# Altium PCB HRADC_Board_v2_0.PcbDoc (part 3 of 4) (continued)
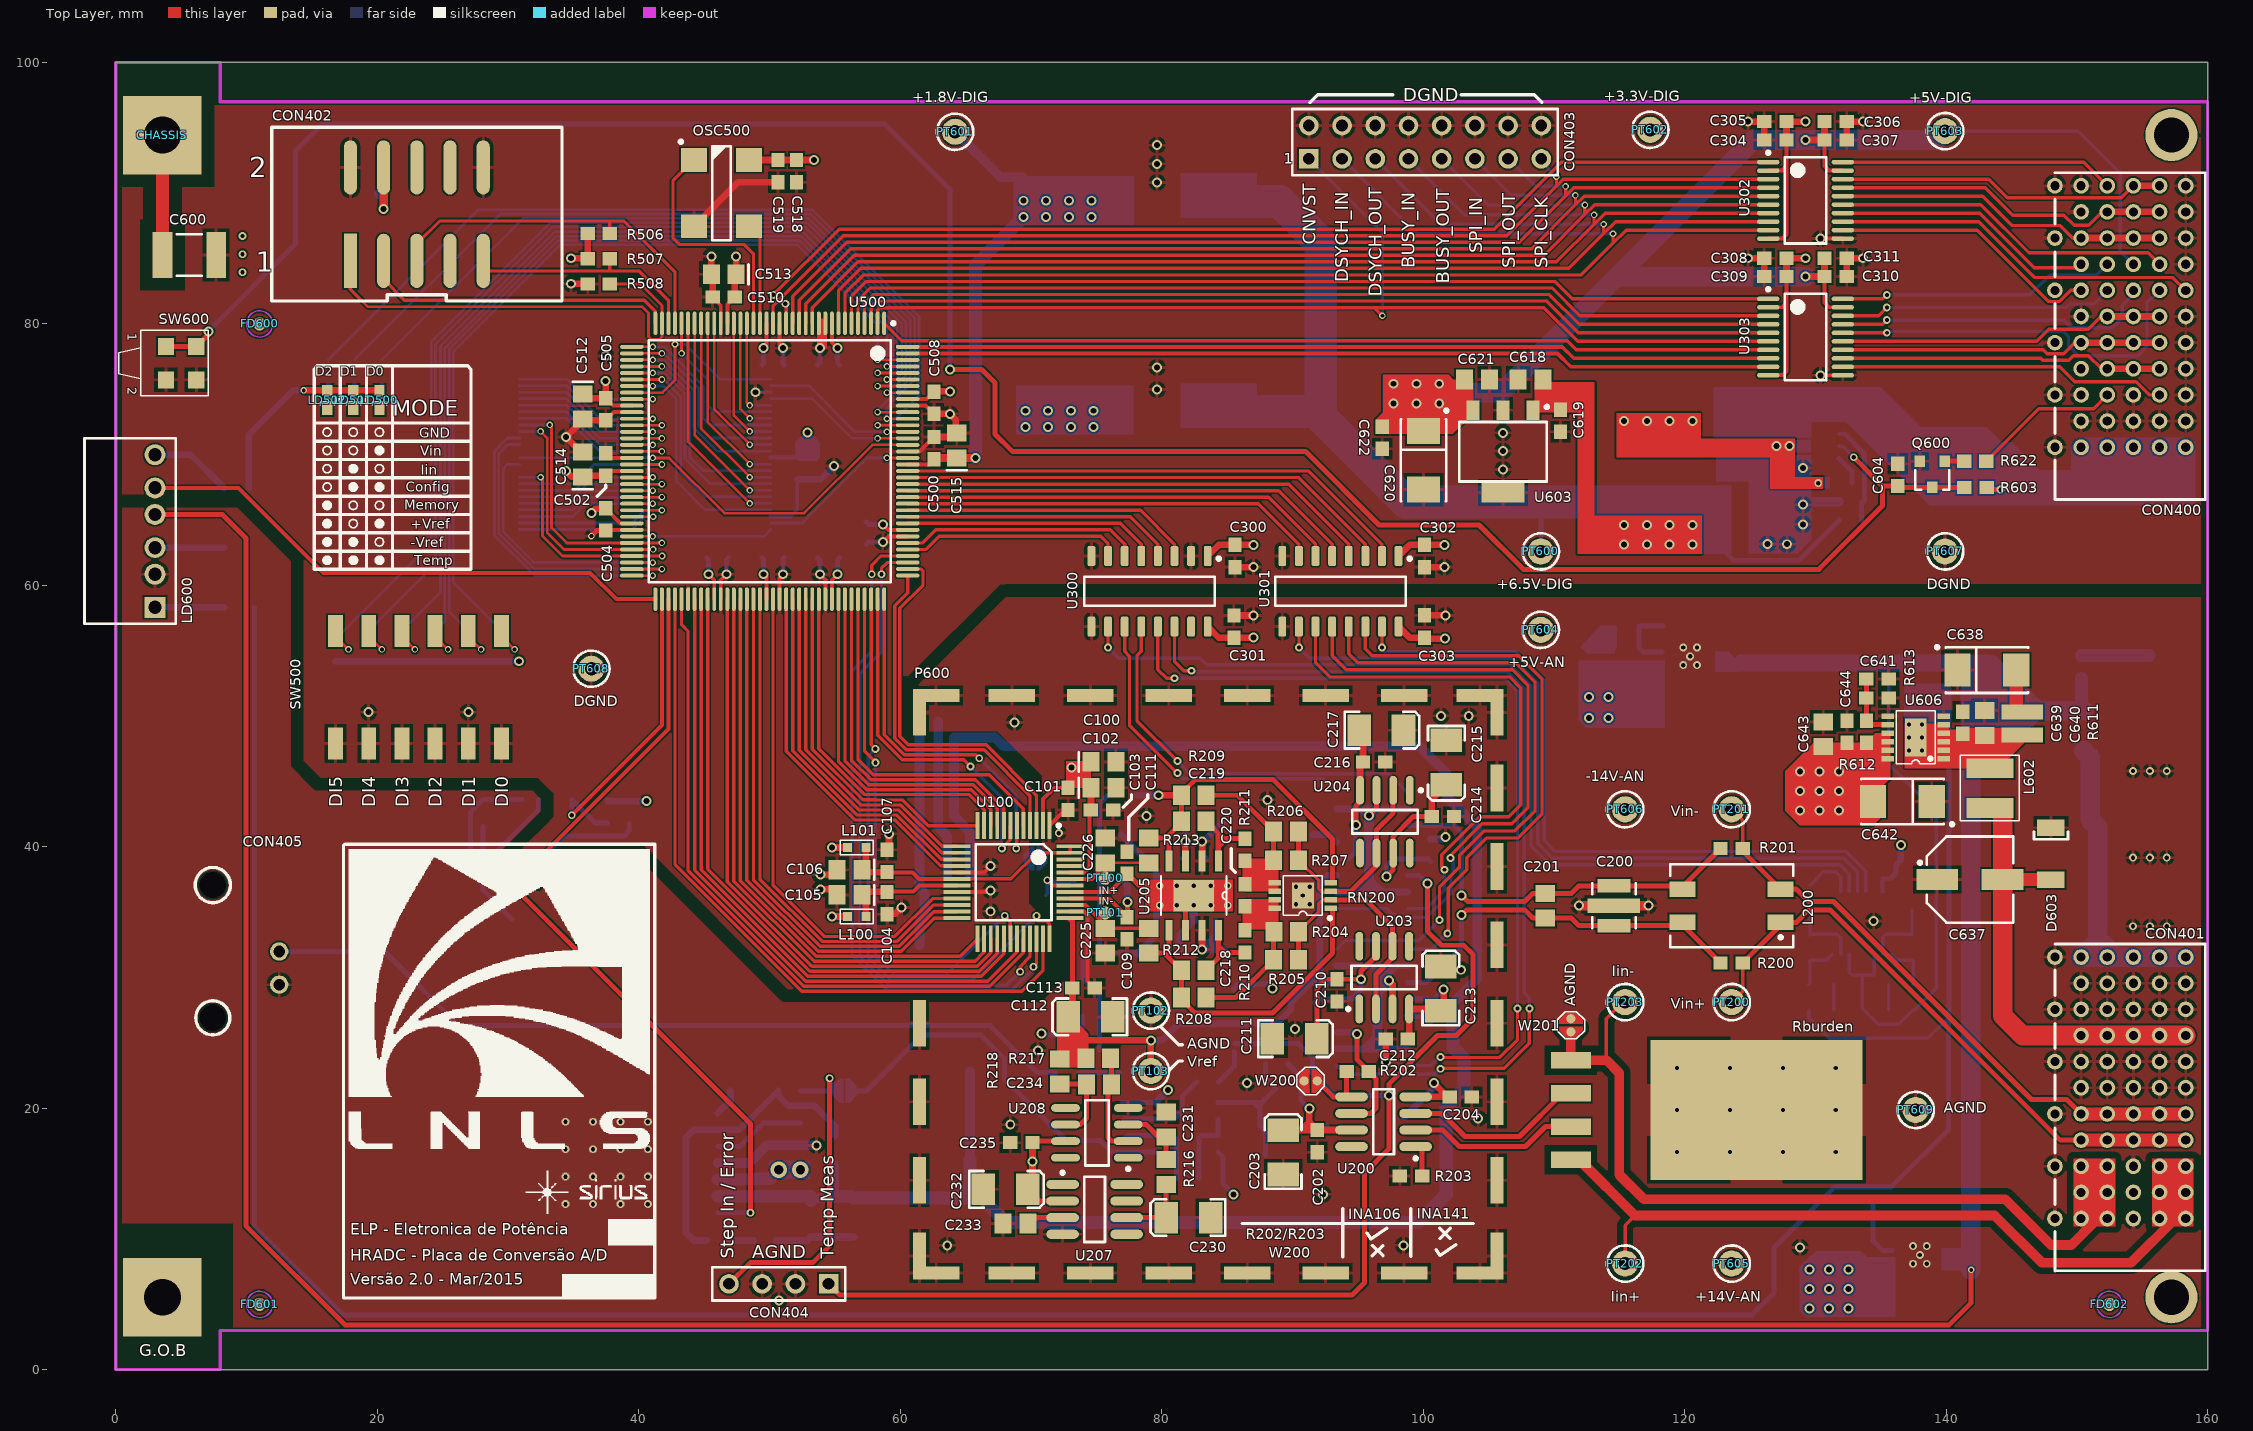
[diagram p0: Top Layer view]
## Nets (pads, with @x,y where several pads share a name; then routed paths per layer and width w, separated by ;. In a path a pad name is that pad's centre, name@x,y a point inside that pad or via, vN(x,y) a via of type N, cw(c..) or ccw(c..) an arc to the next point about the centre after c; other vN are vias at no path point) (continued)
NetR223_2: R223.2 R224.2 U209.3 | length 7.6
  Bottom Layer w0.254: R224.2@76.975,19.05 R224.2@77.11,19.185
  Bottom Layer w0.381: R224.2@77.11,19.185 U209.3@79.525,19.185 80.96,19.185 81.575,19.8 81.575,20.925 R223.2@82.65,22
NetR226_2: R226.2 R227.1 | length 1.9
  Bottom Layer w0.508: R226.2@46.9,9.895 R227.1@48.785,9.895
NetR228_2: R228.2 U211.1 | length 2.1
  Bottom Layer w0.508: U211.1@46.05,19.635 47.02,20.605 R228.2@47.02,21.345
NetR604_1: R604.1 R605.1 U600.4 | length 7.6
  Bottom Layer w0.254: U600.4@131.825,71.6 U600.4@132.239,71.6
  Bottom Layer w0.381: U600.4@132.239,71.6 133.755,70.084 R605.1@133.755,66.4 ; R604.1@133.525,65 R605.1@133.525,66.4
NetR614_2: R614.2 R615.1 | length 2
  Bottom Layer w0.254: R614.2@135.6,27.525 R615.1@135.6,29.5
NetR615_2: R615.2 R616.2 U607.1 | length 3.7
  Bottom Layer w0.254: U607.1@135.79,31.8 136.265,31.325 R616.2@137.4,31.325 137.5,31.225 R615.2@137.5,29.5
NetR616_1: R616.1 R617.1 U607.2 | length 5.6
  Bottom Layer w0.254: U607.2@135.15,31.8 135.15,33.05 135.406,33.306 137.319,33.306 R616.1@137.4,33.225 R617.1@137.4,35.175
NetR618_1: R618.1 R619.1 | length 2
  Bottom Layer w0.254: R618.1@131.4,27.525 R619.1@131.4,29.5
NetR619_2: R619.2 R620.2 U607.8 | length 3.8
  Bottom Layer w0.254: R619.2@129.5,29.5 129.6,29.6 R620.2@129.6,31.325 130.835,31.325 U607.8@131.31,31.8
NetR620_1: R620.1 R621.1 U607.7 | length 5.7
  Bottom Layer w0.254: R621.1@129.6,35.175 R620.1@129.6,33.225 129.681,33.306 131.694,33.306 131.95,33.05 U607.7@131.95,31.8
NetR621_2: R621.2 U607.10 | length 4
  Bottom Layer w0.254: R621.2@129.6,37.075 130.625,38.1 131.074,38.1 131.08,38.106 131.54,38.106 131.95,37.696 U607.10@131.95,36.6
NetRburden_2: Rburden.2 U200.3 | length 13.3
  Top Layer w0.381: U200.3@99.425,19.61 101.44,19.61 103.2,17.85 107.375,17.85 Rburden.2@110.67,21.145
NetRburden_3: Rburden.3 U200.2 | length 13
  Top Layer w0.381: U200.2@99.425,18.34 101.51,18.34 102.775,17.075 107.825,17.075 109.355,18.605 Rburden.3@111.3,18.605
NetU201_2: U201.2 U201.7 U201.10 U201.15 U203.3 | length 19.7
  Top Layer w0.508: v1(97.375,29.775) 97.66,29.49 U203.3@97.66,27.6
  Bottom Layer w0.508: U201.10@93.4,24.55 95.425,24.55 96.525,25.65 97.625,24.55 U201.7@98.8,24.55 ; U201.15@93.4,30.9 96.25,30.9 v1(97.375,29.775) 97.375,30.325 97.95,30.9 U201.2@98.8,30.9
  Bottom Layer w0.762: 96.525,25.65 96.525,28.925 v1(97.375,29.775)
NetU202_2: U202.2 U202.7 U202.10 U202.15 U204.3 | length 18.6
  Top Layer w0.381: v1(95.85,42.4) 96.44,42.99 U204.3@96.44,44.325
  Bottom Layer w0.508: U202.2@93.4,36.55 94.85,36.55 95.85,37.55 96.85,36.55 U202.15@98.8,36.55 ; U202.7@93.4,42.9 U202.10@98.8,42.9
  Bottom Layer w0.762: 95.85,37.55 v1(95.85,42.4)
NetU206_3: U206.3 W202.3 | length 13.6
  Bottom Layer w0.381: U206.3@75.235,31.85 75.235,43.285 W202.3@76.8,44.85
OSC_60MHZ: OSC500.3 U500.20 | length 7.8
  Top Layer w0.254: OSC500.3@48.425,87.46 49.275,86.61 U500.20@49.275,80.05
OSC_OE: OSC500.1 U500.21 | length 18.6
  Top Layer w0.254: OSC500.1@44.225,92.54 42.62,90.935 42.62,86.575 43.12,86.075 48.075,86.075 48.775,85.375 U500.21@48.775,80.05
OVDD: C106.1 C107.2 L101.1 U100.18 U100.47 U100.48 | length 19
  Top Layer w0.254: U100.18@64.35,37.55 68.475,37.55 70.475,39.55 U100.47@73,39.55 U100.48@73,40.05
  Top Layer w0.3: C107.2@59,38.05 60.95,38.05 61.45,37.55 U100.18@64.35,37.55
  Top Layer w0.508: C106.1@57.075,38.25 57.375,38.55 L101.1@57.375,39.95 ; C106.1@57.375,38.05 C107.2@59,38.05
PS_MONIT_DIS: U301.15 U607.13 | length 54.4
  Top Layer w0.254: v6(96.85,55.25) U301.15@96.85,56.85
  Bottom Layer w0.254: v6(96.85,55.25) 97.159,54.941 107.071,54.941 109.266,52.746 109.266,40.496 110.121,39.641 132.377,39.641 133.87,38.148 U607.13@133.87,36.6
PS_MONIT_OV: U300.10 U607.11 | length 74
  Top Layer w0.254: v6(75.9,55.25) U300.10@75.9,56.85
  Bottom Layer w0.254: v6(75.9,55.25) 76.717,54.433 82.925,54.433 83.433,53.925 106.65,53.925 108.25,52.325 108.25,40.075 109.7,38.625 131.89,38.625 132.59,37.925 U607.11@132.59,36.6
PS_MONIT_UV: U301.10 U607.12 | length 60.1
  Top Layer w0.254: v6(90.5,55.25) U301.10@90.5,56.85
  Bottom Layer w0.254: v6(90.5,55.25) 91.317,54.433 106.86,54.433 108.758,52.535 108.758,40.285 109.91,39.133 132.167,39.133 133.23,38.07 U607.12@133.23,36.6
TEMPCTRL_EN: OP300.6 Q300.3 U211.7 | length 43.6
  Top Layer w0.381: v3(29.075,38.3) 48.55,18.825 v3(48.55,12.015)
  Bottom Layer w0.381: v3(29.075,38.3) 29.075,39.525 Q300.3@29.05,39.55 32.34,42.84 OP300.6@32.34,43.63 ; U211.7@46.05,12.015 v3(48.55,12.015)
TEMPCTRL_ONOFF: OP300.4 U500.75 | length 26.3
  Top Layer w0.3: v3(31.07,39.375) 32.646,39.375 42.275,49.004 U500.75@42.275,58.95
  Bottom Layer w0.381: OP300.4@31.07,38.17 v3(31.07,39.375)
TEMPCTRL_STATUS: OP300.8 R302.1 U500.74 | length 24.1
  Top Layer w0.3: v3(34.88,42.425) 41.775,49.32 U500.74@41.775,58.95
  Bottom Layer w0.381: v3(34.88,42.425) OP300.8@34.88,43.63 36.685,41.825 R302.1@37.6,41.825
TEMPERROR: CON404.4 R225.1 W203.2 | length 25.8
  Top Layer w0.381: CON404.4@46.905,6.575 48.53,8.2 53.3,8.2 54.6,9.5 v3(54.6,22.3)
  Bottom Layer w0.381: R225.1@52.37,21.345 W203.2@55.25,21.345 54.6,21.995 v3(54.6,22.3)
TEMPMEASURE: CON404.1 R223.1 U202.14 U210.1 | length 97.8
  Top Layer w0.381: CON404.1@54.525,6.575 55.375,5.725 94.575,5.725 95.525,6.675 95.525,15.05 97.375,16.9 v1(97.375,20.975) 97.375,21.85 101.1,25.575 102.525,25.575 103.815,26.865 103.815,31.775 103.115,32.475 101.4,32.475 100.325,33.55 v1(100.325,37.2)
  Bottom Layer w0.381: R223.1@84.35,22 85.555,23.205 U210.1@85.555,24.35 ; U210.1@85.555,24.946 90.454,24.946 91.55,23.85 91.55,22.675 93.25,20.975 v1(97.375,20.975) ; U202.14@98.8,37.82 99.705,37.82 v1(100.325,37.2)
USER_DI0: R500.2 SW500.7 U500.142 | length 70
  Top Layer w0.203: SW500.7@29.502,56.5 29.502,56.098 v2(30.5,55.1) ; v2(58.275,77.25) U500.142@60.575,77.25
  Bottom Layer w0.203: v2(30.5,55.1) 29.7,55.9 R500.2@29.5,55.9 29.5,56.554 25.825,60.229 25.825,77.9 33.975,86.05 52.149,86.05 58.275,79.924 v2(58.275,77.25)
USER_DI1: R501.2 SW500.8 U500.141 | length 70.1
  Top Layer w0.203: SW500.8@26.962,56.5 26.962,56.088 v2(27.95,55.1) ; v2(58.975,76.75) U500.141@60.575,76.75
  Bottom Layer w0.203: v2(27.95,55.1) 27.15,55.9 R501.2@26.95,55.9 26.95,56.554 25.495,58.009 25.495,78.037 33.838,86.38 52.286,86.38 58.975,79.691 v2(58.975,76.75)
USER_DI2: R502.2 SW500.9 U500.140 | length 73.2
  Top Layer w0.203: SW500.9@24.422,56.5 24.422,56.103 v2(25.425,55.1) ; v2(58.275,76.25) U500.140@60.575,76.25
  Bottom Layer w0.203: v2(25.425,55.1) 24.625,55.9 R502.2@24.425,55.9 24.425,56.554 25.165,57.294 25.165,78.174 33.701,86.71 52.423,86.71 59.454,79.679 59.454,76.552 59.173,76.271 58.296,76.271 v2(58.275,76.25)
USER_DI3: R503.2 SW500.10 U500.139 | length 74.4
  Top Layer w0.203: SW500.10@21.882,56.5 21.882,56.093 v2(22.875,55.1) ; v2(58.975,75.75) U500.139@60.575,75.75
  Bottom Layer w0.203: v2(22.875,55.1) 22.075,55.9 R503.2@21.875,55.9 21.875,56.554 24.834,59.513 24.834,78.31 33.565,87.041 52.559,87.041 59.784,79.816 59.784,76.415 59.119,75.75 v2(58.975,75.75)
USER_DI4: R504.2 SW500.11 U500.138 | length 78.6
  Top Layer w0.203: SW500.11@19.342,56.5 19.342,56.108 v2(20.35,55.1) ; v2(58.275,75.25) U500.138@60.575,75.25
  Bottom Layer w0.203: v2(20.35,55.1) 19.55,55.9 R504.2@19.35,55.9 19.35,56.554 24.451,61.655 24.451,78.469 33.406,87.424 52.718,87.424 60.114,80.028 60.114,76.212 59.173,75.271 58.296,75.271 v2(58.275,75.25)
USER_DI5: R505.2 SW500.12 U500.137 | length 79.8
  Top Layer w0.203: SW500.12@16.802,56.5 16.802,56.098 v2(17.8,55.1) ; v2(58.975,74.75) U500.137@60.575,74.75
  Bottom Layer w0.203: v2(17.8,55.1) 17,55.9 R505.2@16.8,55.9 24.121,63.221 24.121,78.606 33.269,87.754 52.855,87.754 60.444,80.165 60.444,76.075 59.119,74.75 v2(58.975,74.75)
VIN_N: C200.2 C201.1 L200.3 R201.2 U202.11 | length 30.6
  Top Layer w0.381: v1(102.95,36.275) 103.407,35.818 107.774,35.818 108.407,36.45 C201.1@109.35,36.45 111.35,36.45 111.925,37.025 C200.2@114.6,37.025 L200.3@119.595,37.025 ; L200.3@119.85,36.975 R201.2@122.75,39.875
  Bottom Layer w0.381: U202.11@98.8,41.63 102.395,41.63 102.95,41.075 v1(102.95,36.275)
VIN_P: C200.1 C201.2 L200.4 R200.2 U201.3 | length 29.4
  Top Layer w0.381: v1(102.95,34.8) 103.333,35.183 107.774,35.183 108.407,34.55 C201.2@109.35,34.55 111.35,34.55 111.925,33.975 C200.1@114.6,33.975 L200.4@119.595,33.975 ; L200.4@119.85,34.23 119.85,34.025 R200.2@122.75,31.125
  Bottom Layer w0.381: U201.3@98.8,29.63 100.28,29.63 102.95,32.3 v1(102.95,34.8)
pads on no net: CON402.6 CON402.7 CON402.8 CON405.0 FD600.FTG2 FD601.FTG2 FD602.FTG2 FD603.FTG2 FD604.FTG2 FD605.FTG2 U100.45 U100.46 U200.8 U203.1 U203.5 U203.8 U204.1 U204.5 U204.8 U206.1 U206.5 U206.8 U207.1 U207.5 U207.7 U207.8 U208.1 U208.5 U208.8 U210.2 U210.3 U210.5 U210.6 U210.7 U300.15 U501.10 U501.13
copper on no net:
  other v3: 9.69,83.95 9.69,85.337 9.69,86.725

## Polygon pours and split planes (outlines as drawn)
DGND on Top Layer "Bottom Layer-No Net" (solid, pour order 8): 159.49,60.102 67.641,60.102 59.916,52.377 59.975,52.318 59.975,48.45 60.575,47.85 67,47.85 67.025,47.85 69.85,45.025 69.84,45.015 69.84,35.642 69.883,35.642 71.425,34.1 71.5,34.025 71.5,30.254 71.5,30.25 70.375,29.125 51.381,29.125 48.406,32.1 40.381,40.125 33.825,40.125 33.275,40.125 32.136,38.986 32.136,38.325 32.136,37.881 31.85,37.594 31.456,37.594 30.65,38.4 30.65,39.471 33.484,42.305 33.484,43.225 33.484,44.093 33.188,44.388 32.293,45.284 15.668,45.284 14.381,46.57 14.381,62.269 10.3,66.35 9.691,66.959 0.49,66.959 0.49,96.741 8,96.741 159.49,96.741
AGND on Top Layer "Bottom Layer-No Net" (solid, pour order 6): 159.5,3.259 159.5,59.1 68.075,59.1 61.005,52.03 61.005,48.85 67.425,48.85 70.85,45.425 70.85,36.1 72.475,34.475 72.475,29.8 70.775,28.1 51,28.1 40,39.1 33.975,39.1 33.4,38.525 33.4,37.55 32.45,36.6 30.775,36.6 29.65,37.725 29.65,39.875 32.475,42.7 32.475,43.675 31.875,44.275 15.25,44.275 13.375,46.15 13.373,46.152 13.373,61.862 9.308,65.932 0.51,65.932 0.51,11.222 8.99,11.222 9,11.213 9,3.259
DGND on Bottom Layer "Bottom Layer-No Net" (solid, pour order 7): 159.49,60.102 67.641,60.102 59.916,52.377 59.975,52.318 59.975,48.45 60.575,47.85 67,47.85 67.025,47.85 69.85,45.025 69.84,45.015 69.84,35.642 69.883,35.642 71.425,34.1 71.5,34.025 71.5,30.254 71.5,30.25 70.375,29.125 51.381,29.125 48.406,32.1 40.381,40.125 33.825,40.125 33.275,40.125 32.136,38.986 32.136,38.325 32.136,37.881 31.85,37.594 31.456,37.594 30.65,38.4 30.65,39.471 33.484,42.305 33.484,43.225 33.484,44.093 33.188,44.388 32.293,45.284 15.668,45.284 14.381,46.57 14.381,62.269 10.3,66.35 9.691,66.959 0.49,66.959 0.49,96.741 8,96.741 159.49,96.741
AGND on Bottom Layer "Bottom Layer-No Net" (solid, pour order 5): 159.5,3.259 159.5,59.1 68.075,59.1 61.005,52.03 61.005,48.85 67.425,48.85 70.85,45.425 70.85,36.1 72.475,34.475 72.475,29.8 70.775,28.1 51,28.1 40,39.1 33.975,39.1 33.4,38.525 33.4,37.55 32.45,36.6 30.775,36.6 29.65,37.725 29.65,39.875 32.475,42.7 32.475,43.675 31.875,44.275 15.25,44.275 13.375,46.15 13.373,46.152 13.373,61.862 9.308,65.932 0.51,65.932 0.51,11.222 8.99,11.222 9,11.213 9,3.259
+5V-AN on Power Plane (split plane): 140.549,39.4 139.2,38.051 136.175,38.051 134.926,39.3 134.926,40.95 136.162,42.185 136.199,42.231 136.227,42.283 136.244,42.34 136.25,42.399 136.25,47.501 136.244,47.56 136.227,47.617 136.199,47.669 136.162,47.715 135.138,48.738 135.092,48.776 135.04,48.803 134.984,48.821 134.925,48.826 78.775,48.826 78.716,48.821 78.66,48.803 78.608,48.776 78.562,48.738 74.625,44.801 72.712,44.801 72.022,45.491 72.022,49.821 81.299,59.098 140.549,59.098
-14V-AN on Power Plane (split plane): 135.647,47.377 135.647,42.523 134.5,41.376 110.95,41.376 110.891,41.371 110.835,41.353 110.783,41.326 110.737,41.288 108.987,39.538 108.949,39.492 108.921,39.44 108.904,39.384 108.899,39.325 108.899,39.05 108.899,25.9 101.975,18.976 98.751,18.976 98.751,29.3 99.713,30.262 99.751,30.308 99.779,30.36 99.796,30.416 99.801,30.475 99.801,39.176 99.796,39.234 99.779,39.291 99.751,39.343 99.713,39.389 98.964,40.138 98.918,40.176 98.866,40.204 98.809,40.221 98.751,40.226 91.87,40.226 89.212,42.884 89.167,42.921 89.115,42.949 89.058,42.966 88.999,42.972 81.585,42.972 81.526,42.966 81.47,42.949 81.418,42.921 81.372,42.884 80.247,41.759 80.209,41.713 80.181,41.661 80.164,41.605 80.159,41.546 80.159,39.065 80.164,39.006 80.181,38.95 80.209,38.898 80.247,38.852 80.662,38.437 80.708,38.399 80.76,38.371 80.816,38.354 80.875,38.349 85.8,38.349 86.374,37.775 86.374,32.725 84.686,31.038 84.649,30.992 84.621,30.94 84.604,30.883 84.598,30.824 84.598,22.449 81.799,19.651 80.151,19.651 78.925,20.876 78.925,25.424 78.925,30.199 78.925,36.601 78.919,36.66 78.902,36.717 78.874,36.769 78.837,36.815 77.788,37.863 77.742,37.901 77.69,37.929 77.634,37.946 77.575,37.951 75.051,37.951 75.051,44.375 78.9,48.224 134.8,48.224
+5V-DIG on Power Plane (split plane): 102.049,75.85 102.049,73.5 95,66.452 69.95,66.452 69.892,66.446 69.835,66.429 69.783,66.401 69.737,66.364 60.325,56.951 57.675,56.951 57.616,56.946 57.56,56.929 57.508,56.901 57.462,56.863 52.587,51.988 52.549,51.942 52.521,51.89 52.504,51.834 52.499,51.775 52.499,48.125 52.499,38.5 52.504,38.441 52.521,38.385 52.549,38.333 52.587,38.287 53.337,37.537 54.837,36.037 55.499,35.375 55.499,34.234 54.991,33.726 52.865,33.726 49.825,36.767 49.825,52.223 56.725,59.124 60.025,59.124 60.084,59.129 60.14,59.146 60.192,59.174 60.238,59.212 70.425,69.399 90.325,69.399 90.384,69.404 90.44,69.421 90.492,69.449 90.538,69.487 97.432,76.381 101.518,76.381
AGND on Power Plane (split plane): 159.49,0.51 136.851,0.51 136.851,9.764 136.846,9.823 136.829,9.879 136.801,9.932 136.763,9.977 136.102,10.638 136.057,10.676 136.004,10.704 135.948,10.721 135.889,10.726 103.2,10.726 98.751,15.175 98.751,18.374 102.1,18.374 102.159,18.379 102.215,18.396 102.267,18.424 102.313,18.462 109.413,25.562 109.451,25.608 109.479,25.66 109.496,25.716 109.501,25.775 109.501,39.05 109.501,39.2 111.075,40.774 134.324,40.774 134.324,39.175 134.329,39.116 134.346,39.06 134.374,39.008 134.412,38.962 135.837,37.537 135.883,37.499 135.935,37.471 135.991,37.454 136.05,37.449 139.325,37.449 139.384,37.454 139.44,37.471 139.492,37.499 139.538,37.537 141.063,39.062 141.101,39.108 141.129,39.16 141.146,39.216 141.151,39.275 141.151,59.098 159.49,59.098
+14V-AN on Power Plane (split plane): 91.532,39.712 91.578,39.674 91.63,39.646 91.686,39.629 91.745,39.624 98.626,39.624 99.199,39.051 99.199,30.6 98.237,29.638 98.199,29.592 98.171,29.54 98.154,29.484 98.149,29.425 98.149,15.05 98.154,14.991 98.171,14.935 98.199,14.883 98.237,14.837 102.862,10.212 102.908,10.174 102.96,10.146 103.016,10.129 103.075,10.124 135.764,10.124 136.249,9.639 136.249,0.576 44.476,0.576 44.476,15.4 49.25,20.174 65.675,20.174 65.734,20.179 65.79,20.196 65.842,20.224 65.888,20.262 69.588,23.962 69.626,24.008 69.654,24.06 69.671,24.116 69.676,24.175 69.676,25.925 70.325,26.574 73.775,26.574 73.834,26.579 73.89,26.596 73.942,26.624 73.988,26.662 74.963,27.637 75.001,27.683 75.029,27.735 75.046,27.791 75.051,27.85 75.051,37.1 75.051,37.349 77.45,37.349 78.322,36.477 78.322,30.199 78.322,25.424 78.322,20.751 78.328,20.693 78.345,20.636 78.373,20.584 78.41,20.538 79.812,19.136 79.858,19.099 79.91,19.071 79.967,19.054 80.026,19.048 81.924,19.048 81.983,19.054 82.04,19.071 82.092,19.099 82.138,19.136 85.113,22.111 85.15,22.157 85.178,22.209 85.195,22.266 85.201,22.324 85.201,30.699 86.888,32.387 86.926,32.433 86.954,32.485 86.971,32.541 86.976,32.6 86.976,37.9 86.971,37.959 86.954,38.015 86.926,38.067 86.888,38.113 86.138,38.863 86.092,38.901 86.04,38.929 85.984,38.946 85.925,38.951 81,38.951 80.761,39.19 80.761,41.421 81.71,42.369 88.874,42.369
+3.3V-DIG on Power Plane (split plane): 159.49,60.102 67.9,60.102 67.802,60.093 67.708,60.064 67.665,60.041 67.658,60.039 67.571,59.993 67.495,59.93 60.095,52.53 60.032,52.454 59.986,52.367 59.957,52.273 59.948,52.175 59.948,48.9 59.957,48.802 59.986,48.708 60.032,48.621 60.095,48.545 60.645,47.995 60.721,47.932 60.808,47.886 60.902,47.857 61,47.848 67.017,47.848 69.843,45.022 69.843,35.9 69.852,35.802 69.881,35.708 69.927,35.621 69.99,35.545 71.498,34.037 71.498,30.233 70.367,29.102 51.413,29.102 40.56,39.955 40.484,40.018 40.397,40.064 40.303,40.093 40.205,40.102 33.775,40.102 33.677,40.093 33.583,40.064 33.496,40.018 33.42,39.955 32.545,39.08 32.482,39.004 32.436,38.917 32.407,38.823 32.398,38.725 32.398,37.958 32.042,37.602 30.983,37.602 30.652,37.933 30.652,39.467 33.33,42.145 33.393,42.221 33.439,42.308 33.468,42.402 33.477,42.5 33.477,43.5 33.477,43.875 33.468,43.973 33.439,44.067 33.393,44.154 33.33,44.23 32.43,45.13 32.354,45.193 32.267,45.239 32.173,45.268 32.075,45.277 15.676,45.277 14.377,46.576 14.377,62.07 14.368,62.168 14.339,62.263 14.293,62.35 14.23,62.426 9.866,66.79 9.79,66.852 9.703,66.899 9.609,66.927 9.511,66.937 0.51,66.937 0.51,80.673 10.565,80.673 10.663,80.682 10.757,80.711 10.844,80.757 10.92,80.82 14.105,84.005 14.168,84.081 14.214,84.168 14.243,84.262 14.252,84.36 14.252,99.49 159.49,99.49
+1.8V-DIG on Power Plane (split plane): 75.824,89.403 75.824,88.218 74.992,87.386 61.21,87.386 61.151,87.381 61.095,87.363 61.043,87.336 60.997,87.298 53.062,79.363 53.024,79.317 52.996,79.265 52.979,79.209 52.974,79.15 52.974,74.325 51.237,72.588 51.199,72.542 51.171,72.49 51.154,72.434 51.149,72.375 51.149,69.925 51.154,69.866 51.171,69.81 51.199,69.758 51.237,69.712 52.099,68.85 52.099,60.483 51.592,59.976 49.05,59.976 48.551,60.475 48.551,62.85 48.546,62.909 48.529,62.965 48.501,63.017 48.463,63.063 45.876,65.65 45.876,77.66 45.876,77.776 48.112,80.012 48.149,80.058 48.177,80.11 48.194,80.166 48.2,80.225 48.194,80.284 48.177,80.34 48.149,80.392 48.112,80.438 48.066,80.476 48.014,80.504 47.957,80.521 47.899,80.526 39.85,80.526 39.791,80.521 39.735,80.504 39.683,80.476 39.637,80.438 35.537,76.338 35.499,76.292 35.471,76.24 35.454,76.184 35.449,76.125 35.449,68.15 34.95,67.651 34.175,67.651 33.476,68.35 33.476,77.85 38.85,83.224 51.5,83.224 51.559,83.229 51.615,83.246 51.667,83.274 51.713,83.312 51.751,83.358 51.779,83.41 51.79,83.449 58.238,89.897 58.6,90.259 74.968,90.259
DGND on Power Plane (split plane): 13.248,84.568 10.357,81.677 0.51,81.677 0.51,99.49 13.248,99.49
AGND on Power Plane (split plane): 156 vertices, not listed, extent 0.51,0.51 80.446,65.932
no net on Power Plane (split plane): 7.998,0.51 0.51,0.51 0.51,10.217 7.998,10.217
DGND on Ground Planes (split plane): 159.49,60.102 67.875,60.102 67.777,60.093 67.683,60.064 67.596,60.018 67.52,59.955 60.095,52.53 60.032,52.454 59.986,52.367 59.957,52.273 59.948,52.175 59.948,48.9 59.957,48.802 59.986,48.708 60.032,48.621 60.095,48.545 60.645,47.995 60.721,47.932 60.808,47.886 60.902,47.857 61,47.848 67.017,47.848 69.843,45.022 69.843,35.9 69.852,35.802 69.881,35.708 69.927,35.621 69.99,35.545 71.498,34.037 71.498,34 71.498,30.233 70.367,29.102 51.413,29.102 40.56,39.955 40.484,40.018 40.397,40.064 40.303,40.093 40.205,40.102 33.775,40.102 33.677,40.093 33.583,40.064 33.496,40.018 33.42,39.955 32.545,39.08 32.482,39.004 32.436,38.917 32.407,38.823 32.398,38.725 32.398,37.958 32.042,37.602 30.983,37.602 30.652,37.933 30.652,39.467 33.33,42.145 33.393,42.221 33.439,42.308 33.468,42.402 33.477,42.5 33.477,43.5 33.477,43.875 33.468,43.973 33.439,44.067 33.393,44.154 33.33,44.23 32.43,45.13 32.354,45.193 32.267,45.239 32.173,45.268 32.075,45.277 15.676,45.277 14.377,46.576 14.377,61.555 14.377,62.07 14.368,62.168 14.339,62.263 14.293,62.35 14.23,62.426 9.866,66.79 9.79,66.852 9.703,66.899 9.609,66.927 9.511,66.937 0.51,66.937 0.51,99.49 159.49,99.49
no net on Ground Planes (split plane): 7.998,0.51 0.51,0.51 0.51,10.217 7.998,10.217
AGND on Ground Planes (split plane): 13.373,61.862 13.373,61.555 13.373,46.368 13.382,46.27 13.411,46.175 13.457,46.089 13.52,46.012 15.112,44.42 15.189,44.357 15.275,44.311 15.37,44.282 15.468,44.273 31.867,44.273 32.473,43.667 32.473,43.5 32.473,42.708 29.795,40.03 29.732,39.954 29.686,39.867 29.657,39.773 29.648,39.675 29.648,37.725 29.657,37.627 29.686,37.533 29.732,37.446 29.795,37.37 30.42,36.745 30.496,36.682 30.583,36.636 30.677,36.607 30.775,36.598 32.25,36.598 32.348,36.607 32.442,36.636 32.529,36.682 32.605,36.745 33.255,37.395 33.318,37.471 33.364,37.558 33.393,37.652 33.402,37.75 33.402,38.517 33.983,39.098 39.997,39.098 50.85,28.245 50.926,28.182 51.013,28.136 51.107,28.107 51.205,28.098 70.575,28.098 70.673,28.107 70.767,28.136 70.854,28.182 70.93,28.245 72.355,29.67 72.418,29.746 72.464,29.833 72.493,29.927 72.502,30.025 72.502,34 72.502,34.245 72.493,34.343 72.464,34.437 72.418,34.524 72.355,34.6 70.847,36.108 70.847,45.23 70.838,45.328 70.809,45.422 70.763,45.509 70.7,45.585 67.58,48.705 67.504,48.768 67.417,48.814 67.323,48.843 67.225,48.852 61.208,48.852 60.952,49.108 60.952,51.967 68.083,59.098 159.49,59.098 159.49,0.51 9.002,0.51 9.002,10.72 8.993,10.818 8.964,10.912 8.918,10.999 8.855,11.075 8.779,11.138 8.692,11.184 8.598,11.213 8.5,11.222 0.51,11.222 0.51,65.932 9.303,65.932

## Keep-outs
Keep-Out Layer:
  lines w0.254: 0,0.025 0,100 8,100 8,97 160,97 160,3 8,3 8,0.025 0,0.025

## Other copper
Top Layer:
  rectangle net HRADC_IIN_P: 155.74,10.979 158.945,16.169
  rectangle net HRADC_IIN_N: 149.74,10.979 152.945,16.169
  rectangle net +6.5V-DIG: 111.825,62.4 121.325,65.35
  rectangle net +6.5V-DIG: 111.825,62.55 113.125,75.55
  rectangle net +6.5V-DIG: 108.525,73.225 113.125,75.55
  rectangle net +5V-AN: 72.67,44.519 74.595,46.575
  rectangle net NetC220_2: 86.375,33.675 88.925,36.004
  rectangle net NetC220_1: 86.375,36.6 88.925,38.929
  rectangle net -14V-AN: 78.75,37.475 85.45,37.475
  region net +5V-DIG: 101.95,76.1 102.3,75.75 103.824,75.75 103.831,75.757 103.831,74.155 103.843,74.143 103.322,73.622 103.322,72.65 102.27,71.598 96.378,71.598 96.378,72.691 96.95,73.263 96.95,76.1
  region net NetC605_1: 114.795,73.175 114.795,69.8 126.57,69.8 126.57,67.4 130.57,67.4 130.57,68.275 128.445,68.275 128.445,71.225 121.22,71.225 121.22,73.175
  region net -14V-AN: 135.536,48.7 134.6,48.7 133.91,48.01 133.91,47.96 129.885,47.96 127.7,45.775 127.7,42.775 128.825,41.65 134.425,41.65 135.2,42.425 135.2,44.7 135.75,45.25 135.75,48.7
  region net NetC219_1: 84.15,39.7 84.15,41.15 84.175,41.175 84.8,40.55 84.8,40.45 84.355,40.005 84.355,39.7
  region net NetC218_1: 84.162,32.85 84.162,31.413 84.2,31.375 84.746,31.921 84.746,32.009 84.325,32.43 84.325,32.85
  region net ADC_VREF: 72.1,23.125 74.225,23.125 74.225,25.625 72.85,27 72.2,26.35
  region net -14V-AN: 78.75,35.075 85.45,35.075 85.45,37.475 78.75,37.475
  region net +14V-AN: 91.05,19.05 90.3,18.3 91.86,18.3 91.9,18.34
  region net -15V-AN_FILT: 143.35,46.025 136.85,46.025 136.85,49.4 140.2,49.4 140.2,48.95 145.45,48.95 145.825,48.575
Bottom Layer:
  rectangle net +1.8V-DIG: 68.65,87.585 77.9,91.31
  rectangle net +3.3V-DIG: 68.875,71.56 77.85,75.285
  rectangle net +6.5V-DIG: 81.45,88.11 87.275,91.535
  rectangle net +6.5V-DIG: 81.45,72.06 87.275,75.46
  rectangle net +6.5V-DIG: 114.27,62.4 123.595,67.625
  rectangle net NetC605_1: 114.795,69.8 121.22,73.175
  rectangle net NetC605_1: 129.87,67.4 131.12,68.275
  rectangle net NetC605_1: 126.595,70.175 129.67,71.125
  rectangle net -15V-AN_FILT: 136.77,46.85 140.4,52.5
  rectangle net +15V-AN_FILT: 139.65,7.6 142.525,9.325
  region net +14V-AN: 136.1,4.05 129.275,4.05 128.825,4.5 128.825,7.925 130.025,9.075 130.065,9.085 133.49,9.085 133.975,8.6 136.1,8.6
  region net AGND: 114.7,55.15 114.825,55.275 114.825,56.9 113.598,56.9 112.024,55.326 112.55,54.8 114.675,54.8
  region net AGND: 83.085,32.14 84.125,33.18 84.125,32.15 84.135,32.14
  region net +5V-DIG: 103.125,74.75 101.775,76.1 96.925,76.1 96.925,73.225 101.595,73.225
  region net DGND: 129.67,69.975 123.42,69.975 122.42,69.975 122.42,67.95 124.895,67.95 124.895,62.475 128.645,62.475 129.67,63.5
  region net +15V-DIG: 122.245,75.175 122.245,71.325 129.695,71.325 129.695,72.525 132.345,72.525 138.72,66.15 159.07,66.15 159.07,70.575 149.595,70.575 149.595,68.825 147.175,68.825 145.05,70.95 144.245,70.95 143.095,72.1 138.095,72.1 135.02,75.175
  region net +15V-AN_FILT: 122.345,53.408 122.345,54.925 123.37,54.925 124.195,54.1 124.195,53.408
  region net +5V-AN: 118.495,54.25 111.925,54.25 111.895,54.22 111.895,49.725 112.495,49.125 118.495,49.125
  region net +15V-AN_FILT: 141.125,45.2 141.125,54.05 143.325,54.05 146.875,50.5 141.875,45.5
  region net NetU202_2: 96.175,42.2 95.525,42.2 94.95,42.775 94.95,42.9 96.675,42.9 96.775,42.8
  region net ADC_VREF: 92.275,30.428 93.1,29.603 93.1,29.6 91.435,29.6 91.405,29.63
  region net NetC236_2: 87.525,19.75 86.85,20.425 86.85,20.428 87.372,20.428 87.525,20.275
  region net -14V-AN: 78.75,35.075 85.45,35.075 85.45,37.475 78.75,37.475
  region net NetU202_2: 94.65,36.3 96.95,36.3 96.95,36.45 95.85,37.55
  region net NetU201_2: 96.15,28.675 96.15,31.15 98.05,31.15 98.05,31 96.95,29.9 96.95,29.35
  region net NetU201_2: 95.15,24.3 97.825,24.3 96.525,25.6 96.525,25.65
  region net NetC240_2: 64.87,14.22 63.795,13.145 63.795,13.129 66.22,13.129 65.35,13.999 65.35,14
  region net +14V-AN: 53.1,16 50,16 50,14.6 53.1,14.6
  region net +3.3V-DIG: 52.9,71.7 52.125,70.925 52.125,69.525 53.7,69.525 53.7,70.9
Ground Planes (plane layer: these items are gaps in the copper):
  lines w1: -0.01,66.435 9.511,66.435 13.875,62.07 13.875,61.555 13.875,46.368 15.468,44.775 32.075,44.775 32.975,43.875 32.975,43.5 32.975,42.5 30.15,39.675 30.15,37.725 30.775,37.1 ; 0.132,10.72 8.5,10.72 8.5,0 ; 160,59.6 96.175,59.6 72.85,59.6 67.875,59.6 60.45,52.175 60.45,48.9 61,48.35 67.225,48.35 70.345,45.23 70.345,35.9 72,34.245 72,34 72,30.025 70.575,28.6 51.205,28.6 40.205,39.6 36.775,39.6 33.775,39.6 32.9,38.725 32.9,37.75 32.25,37.1 ; 30.775,37.1 32.25,37.1 ; 30.775,37.1 32.25,37.1
Power Plane (plane layer: these items are gaps in the copper):
  lines w0.6: 51.375,83.525 51.44,83.525 58.025,90.11 58.475,90.56 75.092,90.56 76.125,89.527 76.125,88.093 75.117,87.085 61.21,87.085 53.275,79.15 53.275,74.2 51.45,72.375 51.45,69.925 52.4,68.975 52.4,60.358 51.717,59.675 48.925,59.675 48.25,60.35 48.25,62.85 45.575,65.525 45.575,77.66 45.575,77.901 47.899,80.225 39.85,80.225 35.75,76.125 35.75,68.025 35.075,67.35 34.05,67.35 33.175,68.225 33.175,77.975 38.725,83.525 51.5,83.525 ; 74.75,37.65 77.575,37.65 78.624,36.601 78.624,30.199 78.624,25.424 78.624,20.751 80.026,19.349 81.924,19.349 84.899,22.324 84.899,30.824 86.675,32.6 86.675,37.9 85.925,38.65 80.875,38.65 80.46,39.065 80.46,41.546 81.585,42.671 88.999,42.671 91.745,39.925 96.225,39.925 98.751,39.925 99.5,39.176 99.5,30.475 98.45,29.425 98.45,15.05 103.075,10.425 135.889,10.425 136.55,9.764 136.55,0.275 44.175,0.275 44.175,15.525 49.125,20.475 63.725,20.475 65.675,20.475 69.375,24.175 69.375,26.05 70.2,26.875 73.775,26.875 74.75,27.85 74.75,37.1 74.75,44.5 ; 81.412,59.637 71.721,49.946 71.721,45.367 72.587,44.5 74.75,44.5 ; 98.475,18.675 102.1,18.675 109.2,25.775 109.2,39.05 109.2,39.325 110.95,41.075 134.625,41.075 ; 140.85,59.55 140.85,39.275 139.325,37.75 136.05,37.75 134.625,39.175 134.625,41.075 ; 74.75,44.5 78.775,48.525 127.913,48.525 134.925,48.525 135.949,47.501 135.949,42.399 134.625,41.075 ; 49.523,36.642 52.74,33.425 55.116,33.425 55.8,34.109 55.8,35.5 55.05,36.25 53.55,37.75 52.8,38.5 52.8,48.125 52.8,51.775 57.675,56.65 60.45,56.65 69.95,66.15 95.125,66.15 102.35,73.375 102.35,75.975 101.643,76.682 97.307,76.682 90.325,69.7 70.3,69.7 60.025,59.425 56.6,59.425 49.523,52.348 49.523,36.642
  lines w1: -0.01,66.435 9.511,66.435 13.875,62.07 13.875,46.368 15.468,44.775 32.075,44.775 32.975,43.875 32.975,43.5 32.975,42.5 30.15,39.675 30.15,37.725 30.775,37.1 32.25,37.1 32.9,37.75 32.9,38.725 33.775,39.6 36.775,39.6 40.205,39.6 51.205,28.6 70.575,28.6 72,30.025 72,34.245 70.345,35.9 70.345,45.23 67.225,48.35 61,48.35 60.45,48.9 60.45,52.175 67.85,59.575 ; 0.124,81.175 10.565,81.175 13.75,84.36 13.75,99.975 ; 0.132,10.72 8.5,10.72 8.5,0.25 ; 3.5,59.425 3.55,59.425 ; 67.9,59.6 160,59.6